# Altium PCB Bad-Fox Prototype.PcbDoc (part 5 of 6)
Units mm, origin at the board's own origin, x right, y up, seen from the top; angles counter-clockwise.
Board outline 285 x 218 mm, 4 copper layers (Top Layer, Layer 1, Layer 2, Bottom Layer), stack 1.583 mm thick; 201 components, 119 nets, 7816 pads, 1897 vias.
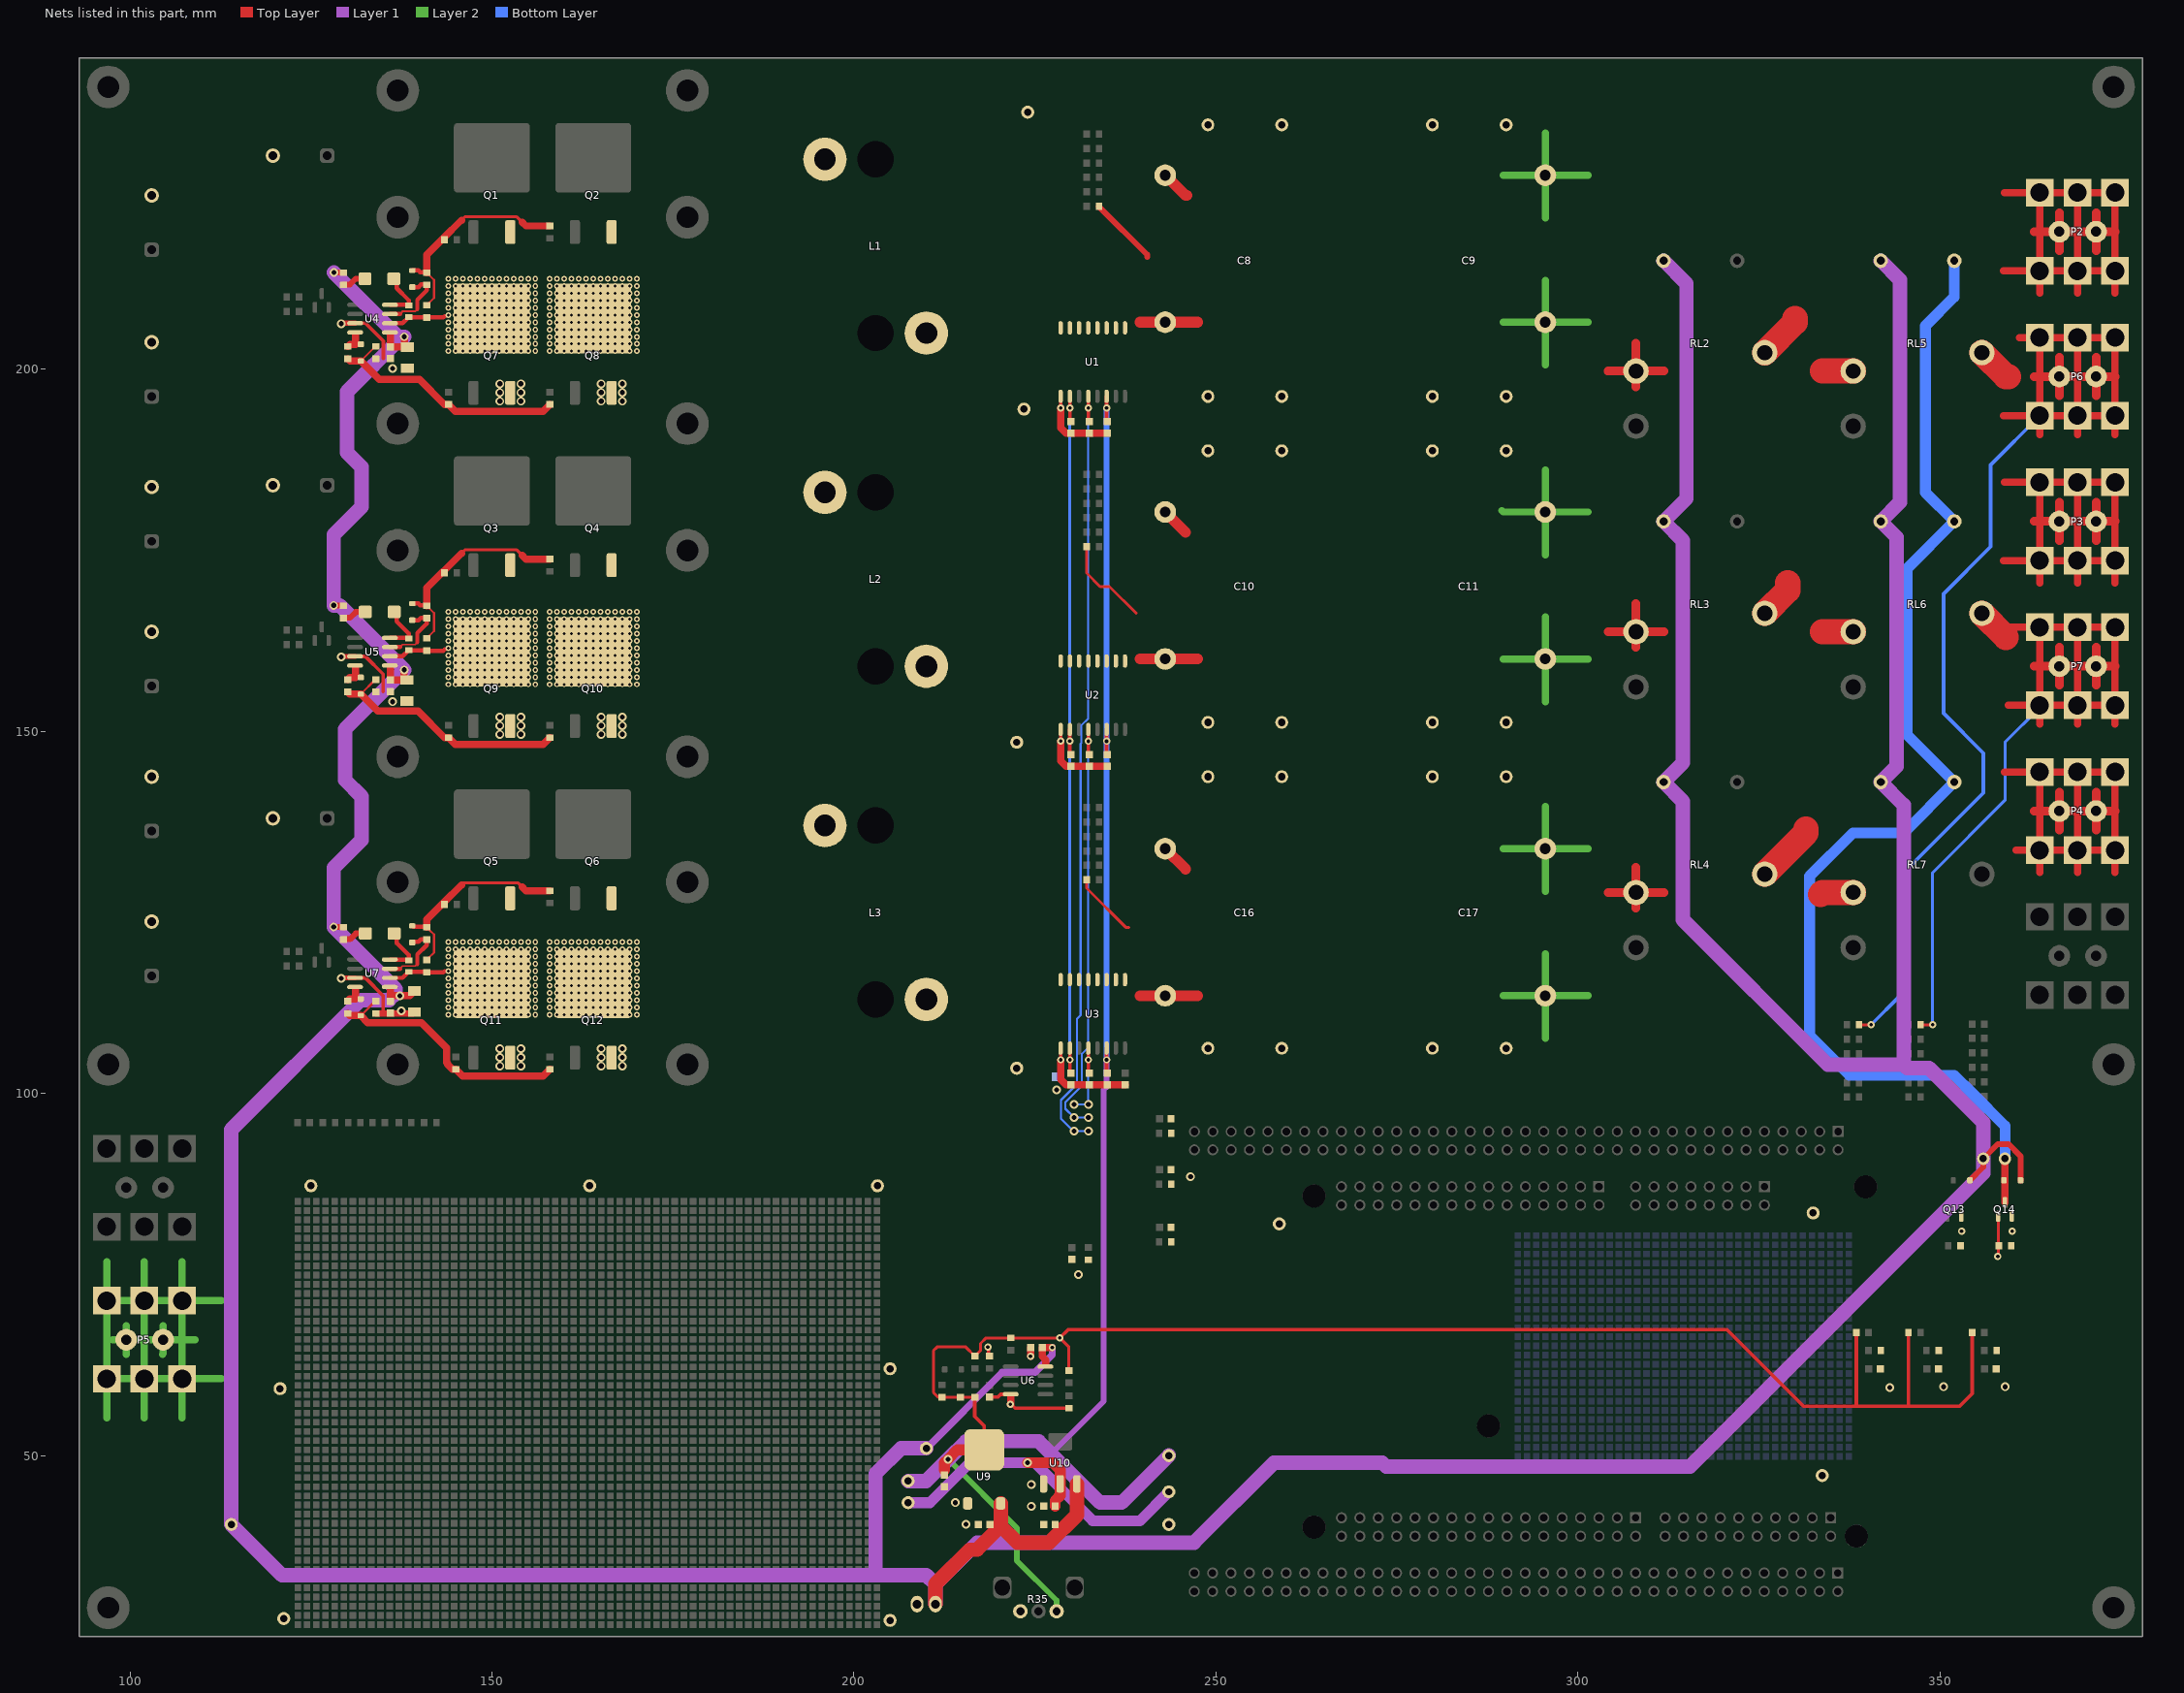
[diagram p7: the nets of this part, all layers, seen from the top]

## Free pads (board coordinates) (continued)
  rect 0.9x0.9 smd far side paste-2: ""(199.39,73.66) ""(199.39,74.93) ""(199.39,76.2) ""(199.39,77.47) ""(199.39,78.74) ""(199.39,80.01) ""(199.39,81.28) ""(199.39,82.55) ""(199.39,83.82) ""(199.39,85.09) ""(200.66,26.67) ""(200.66,27.94) ""(200.66,29.21) ""(200.66,30.48) ""(200.66,31.75) ""(200.66,33.02) ""(200.66,34.29) ""(200.66,35.56) ""(200.66,36.83) ""(200.66,38.1) ""(200.66,39.37) ""(200.66,40.64) ""(200.66,41.91) ""(200.66,43.18) ""(200.66,44.45) ""(200.66,45.72) ""(200.66,46.99) ""(200.66,48.26) ""(200.66,49.53) ""(200.66,50.8) ""(200.66,52.07) ""(200.66,53.34) ""(200.66,54.61) ""(200.66,55.88) ""(200.66,57.15) ""(200.66,58.42) ""(200.66,59.69) ""(200.66,60.96) ""(200.66,62.23) ""(200.66,63.5) ""(200.66,64.77) ""(200.66,66.04) ""(200.66,67.31) ""(200.66,68.58) ""(200.66,69.85) ""(200.66,71.12) ""(200.66,72.39) ""(200.66,73.66) ""(200.66,74.93) ""(200.66,76.2) ""(200.66,77.47) ""(200.66,78.74) ""(200.66,80.01) ""(200.66,81.28) ""(200.66,82.55) ""(200.66,83.82) ""(200.66,85.09) ""(201.93,26.67) ""(201.93,27.94) ""(201.93,29.21) ""(201.93,30.48) ""(201.93,31.75) ""(201.93,33.02) ""(201.93,34.29) ""(201.93,35.56) ""(201.93,36.83) ""(201.93,38.1) ""(201.93,39.37) ""(201.93,40.64) ""(201.93,41.91) ""(201.93,43.18) ""(201.93,44.45) ""(201.93,45.72) ""(201.93,46.99) ""(201.93,48.26) ""(201.93,49.53) ""(201.93,50.8) ""(201.93,52.07) ""(201.93,53.34) ""(201.93,54.61) ""(201.93,55.88) ""(201.93,57.15) ""(201.93,58.42) ""(201.93,59.69) ""(201.93,60.96) ""(201.93,62.23) ""(201.93,63.5) ""(201.93,64.77) ""(201.93,66.04) ""(201.93,67.31) ""(201.93,68.58) ""(201.93,69.85) ""(201.93,71.12) ""(201.93,72.39) ""(201.93,73.66) ""(201.93,74.93) ""(201.93,76.2) ""(201.93,77.47) ""(201.93,78.74) ""(201.93,80.01) ""(201.93,81.28) ""(201.93,82.55) ""(201.93,83.82) ""(201.93,85.09) ""(203.2,26.67) ""(203.2,27.94) ""(203.2,29.21) ""(203.2,30.48) ""(203.2,31.75) ""(203.2,33.02) ""(203.2,34.29) ""(203.2,35.56) ""(203.2,36.83) ""(203.2,38.1) ""(203.2,39.37) ""(203.2,40.64) ""(203.2,41.91) ""(203.2,43.18) ""(203.2,44.45) ""(203.2,45.72) ""(203.2,46.99) ""(203.2,48.26) ""(203.2,49.53) ""(203.2,50.8) ""(203.2,52.07) ""(203.2,53.34) ""(203.2,54.61) ""(203.2,55.88) ""(203.2,57.15) ""(203.2,58.42) ""(203.2,59.69) ""(203.2,60.96) ""(203.2,62.23) ""(203.2,63.5) ""(203.2,64.77) ""(203.2,66.04) ""(203.2,67.31) ""(203.2,68.58) ""(203.2,69.85) ""(203.2,71.12) ""(203.2,72.39) ""(203.2,73.66) ""(203.2,74.93) ""(203.2,76.2) ""(203.2,77.47) ""(203.2,78.74) ""(203.2,80.01) ""(203.2,81.28) ""(203.2,82.55) ""(203.2,83.82) ""(203.2,85.09) ""(291.7,49.9) ""(291.7,51.17) ""(291.7,52.44) ""(291.7,53.71) ""(291.7,54.98) ""(291.7,56.25) ""(291.7,57.52) ""(291.7,58.79) ""(291.7,60.06) ""(291.7,61.33) ""(291.7,62.6) ""(291.7,63.87) ""(291.7,65.14) ""(291.7,66.41) ""(291.7,67.68) ""(291.7,68.95) ""(291.7,70.22) ""(291.7,71.49) ""(291.7,72.76) ""(291.7,74.03) ""(291.7,75.3) ""(291.7,76.57) ""(291.7,77.84) ""(291.7,79.11) ""(291.7,80.38) ""(292.97,49.9) ""(292.97,51.17) ""(292.97,52.44) ""(292.97,53.71) ""(292.97,54.98) ""(292.97,56.25) ""(292.97,57.52) ""(292.97,58.79) ""(292.97,60.06) ""(292.97,61.33) ""(292.97,62.6) ""(292.97,63.87) ""(292.97,65.14) ""(292.97,66.41) ""(292.97,67.68) ""(292.97,68.95) ""(292.97,70.22) ""(292.97,71.49) ""(292.97,72.76) ""(292.97,74.03) ""(292.97,75.3) ""(292.97,76.57) ""(292.97,77.84) ""(292.97,79.11) ""(292.97,80.38) ""(294.24,49.9) ""(294.24,51.17) ""(294.24,52.44) ""(294.24,53.71) ""(294.24,54.98) ""(294.24,56.25) ""(294.24,57.52) ""(294.24,58.79) ""(294.24,60.06) ""(294.24,61.33) ""(294.24,62.6) ""(294.24,63.87) ""(294.24,65.14) ""(294.24,66.41) ""(294.24,67.68) ""(294.24,68.95) ""(294.24,70.22) ""(294.24,71.49) ""(294.24,72.76) ""(294.24,74.03) ""(294.24,75.3) ""(294.24,76.57) ""(294.24,77.84) ""(294.24,79.11) ""(294.24,80.38) ""(295.51,49.9) ""(295.51,51.17) ""(295.51,52.44) ""(295.51,53.71) ""(295.51,54.98) ""(295.51,56.25) ""(295.51,57.52) ""(295.51,58.79) ""(295.51,60.06) ""(295.51,61.33) ""(295.51,62.6) ""(295.51,63.87) ""(295.51,65.14) ""(295.51,66.41) ""(295.51,67.68) ""(295.51,68.95) ""(295.51,70.22) ""(295.51,71.49) ""(295.51,72.76) ""(295.51,74.03) ""(295.51,75.3) ""(295.51,76.57) ""(295.51,77.84) ""(295.51,79.11) ""(295.51,80.38) ""(296.78,49.9) ""(296.78,51.17) ""(296.78,52.44) ""(296.78,53.71) ""(296.78,54.98) ""(296.78,56.25) ""(296.78,57.52) ""(296.78,58.79) ""(296.78,60.06) ""(296.78,61.33) ""(296.78,62.6) ""(296.78,63.87) ""(296.78,65.14) ""(296.78,66.41) ""(296.78,67.68) ""(296.78,68.95) ""(296.78,70.22) ""(296.78,71.49) ""(296.78,72.76) ""(296.78,74.03) ""(296.78,75.3) ""(296.78,76.57) ""(296.78,77.84) ""(296.78,79.11) ""(296.78,80.38) ""(298.05,49.9) ""(298.05,51.17) ""(298.05,52.44) ""(298.05,53.71) ""(298.05,54.98) ""(298.05,56.25) ""(298.05,57.52) ""(298.05,58.79) ""(298.05,60.06) ""(298.05,61.33) ""(298.05,62.6) ""(298.05,63.87) ""(298.05,65.14) ""(298.05,66.41) ""(298.05,67.68) ""(298.05,68.95) ""(298.05,70.22) ""(298.05,71.49) ""(298.05,72.76) ""(298.05,74.03) ""(298.05,75.3) ""(298.05,76.57) ""(298.05,77.84) ""(298.05,79.11) ""(298.05,80.38) ""(299.32,49.9) ""(299.32,51.17) ""(299.32,52.44) ""(299.32,53.71) ""(299.32,54.98) ""(299.32,56.25) ""(299.32,57.52) ""(299.32,58.79) ""(299.32,60.06) ""(299.32,61.33) ""(299.32,62.6) ""(299.32,63.87) ""(299.32,65.14) ""(299.32,66.41) ""(299.32,67.68) ""(299.32,68.95) ""(299.32,70.22) ""(299.32,71.49) ""(299.32,72.76) ""(299.32,74.03) ""(299.32,75.3) ""(299.32,76.57) ""(299.32,77.84) ""(299.32,79.11) ""(299.32,80.38) ""(300.59,49.9) ""(300.59,51.17) ""(300.59,52.44) ""(300.59,53.71) ""(300.59,54.98) ""(300.59,56.25) ""(300.59,57.52) ""(300.59,58.79) ""(300.59,60.06) ""(300.59,61.33) ""(300.59,62.6) ""(300.59,63.87) ""(300.59,65.14) ""(300.59,66.41) ""(300.59,67.68) ""(300.59,68.95) ""(300.59,70.22) ""(300.59,71.49) ""(300.59,72.76) ""(300.59,74.03) ""(300.59,75.3) ""(300.59,76.57) ""(300.59,77.84) ""(300.59,79.11) ""(300.59,80.38) ""(301.86,49.9) ""(301.86,51.17) ""(301.86,52.44) ""(301.86,53.71) ""(301.86,54.98) ""(301.86,56.25) ""(301.86,57.52) ""(301.86,58.79) ""(301.86,60.06) ""(301.86,61.33) ""(301.86,62.6) ""(301.86,63.87) ""(301.86,65.14) ""(301.86,66.41) ""(301.86,67.68) ""(301.86,68.95) ""(301.86,70.22) ""(301.86,71.49) ""(301.86,72.76) ""(301.86,74.03) ""(301.86,75.3) ""(301.86,76.57) ""(301.86,77.84) ""(301.86,79.11) ""(301.86,80.38) ""(303.13,49.9) ""(303.13,51.17) ""(303.13,52.44) ""(303.13,53.71) ""(303.13,54.98) ""(303.13,56.25) ""(303.13,57.52) ""(303.13,58.79) ""(303.13,60.06) ""(303.13,61.33) ""(303.13,62.6) ""(303.13,63.87) ""(303.13,65.14) ""(303.13,66.41) ""(303.13,67.68) ""(303.13,68.95) ""(303.13,70.22) ""(303.13,71.49) ""(303.13,72.76) ""(303.13,74.03) ""(303.13,75.3) ""(303.13,76.57) ""(303.13,77.84) ""(303.13,79.11) ""(303.13,80.38) ""(304.4,49.9) ""(304.4,51.17) ""(304.4,52.44) ""(304.4,53.71) ""(304.4,54.98) ""(304.4,56.25) ""(304.4,57.52) ""(304.4,58.79) ""(304.4,60.06) ""(304.4,61.33) ""(304.4,62.6) ""(304.4,63.87) ""(304.4,65.14) ""(304.4,66.41) ""(304.4,67.68) ""(304.4,68.95) ""(304.4,70.22) ""(304.4,71.49) ""(304.4,72.76) ""(304.4,74.03) ""(304.4,75.3) ""(304.4,76.57) ""(304.4,77.84) ""(304.4,79.11) ""(304.4,80.38) ""(305.67,49.9) ""(305.67,51.17) ""(305.67,52.44) ""(305.67,53.71) ""(305.67,54.98) ""(305.67,56.25) ""(305.67,57.52) ""(305.67,58.79) ""(305.67,60.06) ""(305.67,61.33) ""(305.67,62.6) ""(305.67,63.87) ""(305.67,65.14) ""(305.67,66.41) ""(305.67,67.68) ""(305.67,68.95) ""(305.67,70.22) ""(305.67,71.49) ""(305.67,72.76) ""(305.67,74.03) ""(305.67,75.3) ""(305.67,76.57) ""(305.67,77.84) ""(305.67,79.11) ""(305.67,80.38) ""(306.94,49.9) ""(306.94,51.17) ""(306.94,52.44) ""(306.94,53.71) ""(306.94,54.98) ""(306.94,56.25) ""(306.94,57.52) ""(306.94,58.79) ""(306.94,60.06) ""(306.94,61.33) ""(306.94,62.6) ""(306.94,63.87) ""(306.94,65.14) ""(306.94,66.41) ""(306.94,67.68) ""(306.94,68.95) ""(306.94,70.22) ""(306.94,71.49) ""(306.94,72.76) ""(306.94,74.03) ""(306.94,75.3) ""(306.94,76.57) ""(306.94,77.84) ""(306.94,79.11) ""(306.94,80.38) ""(308.21,49.9) ""(308.21,51.17) ""(308.21,52.44) ""(308.21,53.71) ""(308.21,54.98) ""(308.21,56.25) ""(308.21,57.52) ""(308.21,58.79) ""(308.21,60.06) ""(308.21,61.33) ""(308.21,62.6) ""(308.21,63.87) ""(308.21,65.14) ""(308.21,66.41) ""(308.21,67.68) ""(308.21,68.95) ""(308.21,70.22) ""(308.21,71.49) ""(308.21,72.76) ""(308.21,74.03) ""(308.21,75.3) ""(308.21,76.57) ""(308.21,77.84) ""(308.21,79.11) ""(308.21,80.38) ""(309.48,49.9) ""(309.48,51.17) ""(309.48,52.44) ""(309.48,53.71) ""(309.48,54.98) ""(309.48,56.25) ""(309.48,57.52) ""(309.48,58.79) ""(309.48,60.06) ""(309.48,61.33) ""(309.48,62.6) ""(309.48,63.87) ""(309.48,65.14) ""(309.48,66.41) ""(309.48,67.68) ""(309.48,68.95) ""(309.48,70.22) ""(309.48,71.49) ""(309.48,72.76) ""(309.48,74.03) ""(309.48,75.3) ""(309.48,76.57) ""(309.48,77.84) ""(309.48,79.11) ""(309.48,80.38) ""(310.75,49.9) ""(310.75,51.17) ""(310.75,52.44) ""(310.75,53.71) ""(310.75,54.98) ""(310.75,56.25) ""(310.75,57.52) ""(310.75,58.79) ""(310.75,60.06) ""(310.75,61.33) ""(310.75,62.6) ""(310.75,63.87) ""(310.75,65.14) ""(310.75,66.41) ""(310.75,67.68) ""(310.75,68.95) ""(310.75,70.22) ""(310.75,71.49) ""(310.75,72.76) ""(310.75,74.03) ""(310.75,75.3) ""(310.75,76.57) ""(310.75,77.84) ""(310.75,79.11) ""(310.75,80.38) ""(312.02,49.9) ""(312.02,51.17) ""(312.02,52.44) ""(312.02,53.71) ""(312.02,54.98) ""(312.02,56.25) ""(312.02,57.52) ""(312.02,58.79) ""(312.02,60.06) ""(312.02,61.33) ""(312.02,62.6) ""(312.02,63.87) ""(312.02,65.14) ""(312.02,66.41) ""(312.02,67.68) ""(312.02,68.95) ""(312.02,70.22) ""(312.02,71.49) ""(312.02,72.76) ""(312.02,74.03) ""(312.02,75.3) ""(312.02,76.57) ""(312.02,77.84) ""(312.02,79.11) ""(312.02,80.38) ""(313.29,49.9) ""(313.29,51.17) ""(313.29,52.44) ""(313.29,53.71) ""(313.29,54.98) ""(313.29,56.25) ""(313.29,57.52) ""(313.29,58.79) ""(313.29,60.06) ""(313.29,61.33) ""(313.29,62.6) ""(313.29,63.87) ""(313.29,65.14) ""(313.29,66.41) ""(313.29,67.68) ""(313.29,68.95) ""(313.29,70.22) ""(313.29,71.49) ""(313.29,72.76) ""(313.29,74.03) ""(313.29,75.3) ""(313.29,76.57) ""(313.29,77.84) ""(313.29,79.11) ""(313.29,80.38) ""(314.56,49.9) ""(314.56,51.17) ""(314.56,52.44) ""(314.56,53.71) ""(314.56,54.98) ""(314.56,56.25) ""(314.56,57.52) ""(314.56,58.79) ""(314.56,60.06) ""(314.56,61.33) ""(314.56,62.6) ""(314.56,63.87) ""(314.56,65.14) ""(314.56,66.41) ""(314.56,67.68) ""(314.56,68.95) ""(314.56,70.22) ""(314.56,71.49) ""(314.56,72.76) ""(314.56,74.03) ""(314.56,75.3) ""(314.56,76.57) ""(314.56,77.84) ""(314.56,79.11) ""(314.56,80.38) ""(315.83,49.9) ""(315.83,51.17) ""(315.83,52.44) ""(315.83,53.71) ""(315.83,54.98) ""(315.83,56.25) ""(315.83,57.52) ""(315.83,58.79) ""(315.83,60.06) ""(315.83,61.33) ""(315.83,62.6) ""(315.83,63.87) ""(315.83,65.14) ""(315.83,66.41) ""(315.83,67.68) ""(315.83,68.95) ""(315.83,70.22) ""(315.83,71.49) ""(315.83,72.76) ""(315.83,74.03) ""(315.83,75.3) ""(315.83,76.57) ""(315.83,77.84) ""(315.83,79.11) ""(315.83,80.38) ""(317.1,49.9) ""(317.1,51.17) ""(317.1,52.44) ""(317.1,53.71) ""(317.1,54.98) ""(317.1,56.25) ""(317.1,57.52) ""(317.1,58.79) ""(317.1,60.06) ""(317.1,61.33) ""(317.1,62.6) ""(317.1,63.87) ""(317.1,65.14) ""(317.1,66.41) ""(317.1,67.68) ""(317.1,68.95) ""(317.1,70.22) ""(317.1,71.49) ""(317.1,72.76) ""(317.1,74.03) ""(317.1,75.3) ""(317.1,76.57) ""(317.1,77.84) ""(317.1,79.11) ""(317.1,80.38) ""(318.37,49.9) ""(318.37,51.17) ""(318.37,52.44) ""(318.37,53.71) ""(318.37,54.98) ""(318.37,56.25) ""(318.37,57.52) ""(318.37,58.79) ""(318.37,60.06) ""(318.37,61.33) ""(318.37,62.6) ""(318.37,63.87) ""(318.37,65.14) ""(318.37,66.41) ""(318.37,67.68) ""(318.37,68.95) ""(318.37,70.22) ""(318.37,71.49) ""(318.37,72.76) ""(318.37,74.03) ""(318.37,75.3) ""(318.37,76.57) ""(318.37,77.84) ""(318.37,79.11) ""(318.37,80.38) ""(319.64,49.9) ""(319.64,51.17) ""(319.64,52.44) ""(319.64,53.71) ""(319.64,54.98) ""(319.64,56.25) ""(319.64,57.52) ""(319.64,58.79) ""(319.64,60.06) ""(319.64,61.33) ""(319.64,62.6) ""(319.64,63.87) ""(319.64,65.14) ""(319.64,66.41) ""(319.64,67.68) ""(319.64,68.95) ""(319.64,70.22) ""(319.64,71.49) ""(319.64,72.76) ""(319.64,74.03) ""(319.64,75.3) ""(319.64,76.57) ""(319.64,77.84) ""(319.64,79.11) ""(319.64,80.38) ""(320.91,49.9) ""(320.91,51.17) ""(320.91,52.44) ""(320.91,53.71) ""(320.91,54.98) ""(320.91,56.25) ""(320.91,57.52) ""(320.91,58.79) ""(320.91,60.06) ""(320.91,61.33) ""(320.91,62.6) ""(320.91,63.87) ""(320.91,65.14) ""(320.91,66.41) ""(320.91,67.68) ""(320.91,68.95) ""(320.91,70.22) ""(320.91,71.49) ""(320.91,72.76) ""(320.91,74.03) ""(320.91,75.3) ""(320.91,76.57) ""(320.91,77.84) ""(320.91,79.11) ""(320.91,80.38) ""(322.18,49.9) ""(322.18,51.17) ""(322.18,52.44) ""(322.18,53.71) ""(322.18,54.98) ""(322.18,56.25) ""(322.18,57.52) ""(322.18,58.79) ""(322.18,60.06) ""(322.18,61.33) ""(322.18,62.6) ""(322.18,63.87) ""(322.18,65.14) ""(322.18,66.41) ""(322.18,67.68) ""(322.18,68.95) ""(322.18,70.22) ""(322.18,71.49) ""(322.18,72.76) ""(322.18,74.03) ""(322.18,75.3) ""(322.18,76.57) ""(322.18,77.84) ""(322.18,79.11) ""(322.18,80.38) ""(323.45,49.9) ""(323.45,51.17) ""(323.45,52.44) ""(323.45,53.71) ""(323.45,54.98) ""(323.45,56.25) ""(323.45,57.52) ""(323.45,58.79) ""(323.45,60.06) ""(323.45,61.33) ""(323.45,62.6) ""(323.45,63.87) ""(323.45,65.14) ""(323.45,66.41) ""(323.45,67.68) ""(323.45,68.95) ""(323.45,70.22) ""(323.45,71.49) ""(323.45,72.76) ""(323.45,74.03) ""(323.45,75.3) ""(323.45,76.57) ""(323.45,77.84) ""(323.45,79.11) ""(323.45,80.38) ""(324.72,49.9) ""(324.72,51.17) ""(324.72,52.44) ""(324.72,53.71) ""(324.72,54.98) ""(324.72,56.25) ""(324.72,57.52) ""(324.72,58.79) ""(324.72,60.06) ""(324.72,61.33) ""(324.72,62.6) ""(324.72,63.87) ""(324.72,65.14) ""(324.72,66.41) ""(324.72,67.68) ""(324.72,68.95) ""(324.72,70.22) ""(324.72,71.49) ""(324.72,72.76) ""(324.72,74.03) ""(324.72,75.3) ""(324.72,76.57) ""(324.72,77.84) ""(324.72,79.11) ""(324.72,80.38) ""(325.99,49.9) ""(325.99,51.17) ""(325.99,52.44) ""(325.99,53.71) ""(325.99,54.98) ""(325.99,56.25) ""(325.99,57.52) ""(325.99,58.79) ""(325.99,60.06) ""(325.99,61.33) ""(325.99,62.6) ""(325.99,63.87) ""(325.99,65.14) ""(325.99,66.41) ""(325.99,67.68) ""(325.99,68.95) ""(325.99,70.22) ""(325.99,71.49) ""(325.99,72.76) ""(325.99,74.03) ""(325.99,75.3) ""(325.99,76.57) ""(325.99,77.84) ""(325.99,79.11) ""(325.99,80.38) ""(327.26,49.9) ""(327.26,51.17) ""(327.26,52.44) ""(327.26,53.71) ""(327.26,54.98) ""(327.26,56.25) ""(327.26,57.52) ""(327.26,58.79) ""(327.26,60.06) ""(327.26,61.33) ""(327.26,62.6) ""(327.26,63.87) ""(327.26,65.14) ""(327.26,66.41) ""(327.26,67.68) ""(327.26,68.95) ""(327.26,70.22) ""(327.26,71.49) ""(327.26,72.76) ""(327.26,74.03) ""(327.26,75.3) ""(327.26,76.57) ""(327.26,77.84) ""(327.26,79.11) ""(327.26,80.38) ""(328.53,49.9) ""(328.53,51.17) ""(328.53,52.44) ""(328.53,53.71) ""(328.53,54.98) ""(328.53,56.25) ""(328.53,57.52) ""(328.53,58.79) ""(328.53,60.06) ""(328.53,61.33) ""(328.53,62.6) ""(328.53,63.87) ""(328.53,65.14) ""(328.53,66.41) ""(328.53,67.68) ""(328.53,68.95) ""(328.53,70.22) ""(328.53,71.49) ""(328.53,72.76) ""(328.53,74.03) ""(328.53,75.3) ""(328.53,76.57) ""(328.53,77.84) ""(328.53,79.11) ""(328.53,80.38) ""(329.8,49.9) ""(329.8,51.17) ""(329.8,52.44) ""(329.8,53.71) ""(329.8,54.98) ""(329.8,56.25) ""(329.8,57.52) ""(329.8,58.79) ""(329.8,60.06) ""(329.8,61.33) ""(329.8,62.6) ""(329.8,63.87) ""(329.8,65.14) ""(329.8,66.41) ""(329.8,67.68) ""(329.8,68.95) ""(329.8,70.22) ""(329.8,71.49) ""(329.8,72.76) ""(329.8,74.03) ""(329.8,75.3) ""(329.8,76.57) ""(329.8,77.84) ""(329.8,79.11) ""(329.8,80.38) ""(331.07,49.9) ""(331.07,51.17) ""(331.07,52.44) ""(331.07,53.71) ""(331.07,54.98) ""(331.07,56.25) ""(331.07,57.52) ""(331.07,58.79) ""(331.07,60.06) ""(331.07,61.33) ""(331.07,62.6) ""(331.07,63.87) ""(331.07,65.14) ""(331.07,66.41) ""(331.07,67.68) ""(331.07,68.95) ""(331.07,70.22) ""(331.07,71.49) ""(331.07,72.76) ""(331.07,74.03) ""(331.07,75.3) ""(331.07,76.57) ""(331.07,77.84) ""(331.07,79.11) ""(331.07,80.38) ""(332.34,49.9) ""(332.34,51.17) ""(332.34,52.44) ""(332.34,53.71) ""(332.34,54.98) ""(332.34,56.25) ""(332.34,57.52) ""(332.34,58.79) ""(332.34,60.06) ""(332.34,61.33) ""(332.34,62.6) ""(332.34,63.87) ""(332.34,65.14) ""(332.34,66.41) ""(332.34,67.68) ""(332.34,68.95) ""(332.34,70.22) ""(332.34,71.49) ""(332.34,72.76) ""(332.34,74.03) ""(332.34,75.3) ""(332.34,76.57) ""(332.34,77.84) ""(332.34,79.11) ""(332.34,80.38) ""(333.61,49.9) ""(333.61,51.17) ""(333.61,52.44) ""(333.61,53.71) ""(333.61,54.98) ""(333.61,56.25) ""(333.61,57.52) ""(333.61,58.79) ""(333.61,60.06) ""(333.61,61.33) ""(333.61,62.6) ""(333.61,63.87) ""(333.61,65.14) ""(333.61,66.41) ""(333.61,67.68) ""(333.61,68.95) ""(333.61,70.22) ""(333.61,71.49) ""(333.61,72.76) ""(333.61,74.03) ""(333.61,75.3) ""(333.61,76.57) ""(333.61,77.84) ""(333.61,79.11) ""(333.61,80.38) ""(334.88,49.9) ""(334.88,51.17) ""(334.88,52.44) ""(334.88,53.71) ""(334.88,54.98) ""(334.88,56.25) ""(334.88,57.52) ""(334.88,58.79) ""(334.88,60.06) ""(334.88,61.33) ""(334.88,62.6) ""(334.88,63.87) ""(334.88,65.14) ""(334.88,66.41) ""(334.88,67.68) ""(334.88,68.95) ""(334.88,70.22) ""(334.88,71.49) ""(334.88,72.76) ""(334.88,74.03) ""(334.88,75.3) ""(334.88,76.57) ""(334.88,77.84) ""(334.88,79.11) ""(334.88,80.38) ""(336.15,49.9) ""(336.15,51.17) ""(336.15,52.44) ""(336.15,53.71) ""(336.15,54.98) ""(336.15,56.25) ""(336.15,57.52) ""(336.15,58.79) ""(336.15,60.06) ""(336.15,61.33) ""(336.15,62.6) ""(336.15,63.87) ""(336.15,65.14) ""(336.15,66.41) ""(336.15,67.68) ""(336.15,68.95) ""(336.15,70.22) ""(336.15,71.49) ""(336.15,72.76) ""(336.15,74.03) ""(336.15,75.3) ""(336.15,76.57) ""(336.15,77.84) ""(336.15,79.11) ""(336.15,80.38) ""(337.42,49.9) ""(337.42,51.17) ""(337.42,52.44) ""(337.42,53.71) ""(337.42,54.98) ""(337.42,56.25) ""(337.42,57.52) ""(337.42,58.79) ""(337.42,60.06) ""(337.42,61.33) ""(337.42,62.6) ""(337.42,63.87) ""(337.42,65.14) ""(337.42,66.41) ""(337.42,67.68) ""(337.42,68.95) ""(337.42,70.22) ""(337.42,71.49) ""(337.42,72.76) ""(337.42,74.03) ""(337.42,75.3) ""(337.42,76.57) ""(337.42,77.84) ""(337.42,79.11) ""(337.42,80.38)
  round 3 hole 1.5: ""(243,113.5) ""(243,133.8) ""(243,160) ""(243,180.3) ""(243,206.5) ""(243,226.8) ""(295.5,113.5) ""(295.5,133.8) ""(295.5,160) ""(295.5,180.3) ""(295.5,206.5) ""(295.5,226.8)

## Via types
v1: diameter 0.8, hole 0.4, Top Layer to Bottom Layer, 1329 vias
v2: diameter 0.8, hole 0.4, Top Layer to Bottom Layer, tented both sides, 396 vias
v3: diameter 1.2, hole 0.7, Top Layer to Bottom Layer, 93 vias
v4: diameter 1, hole 0.5, Top Layer to Bottom Layer, 40 vias
v5: diameter 1.2, hole 0.7, Top Layer to Bottom Layer, tented both sides, 36 vias
v6: diameter 1.7, hole 1, Top Layer to Bottom Layer, 3 vias
